# Allegro board FH8858v310_app_board_v1.1.brd (continued)
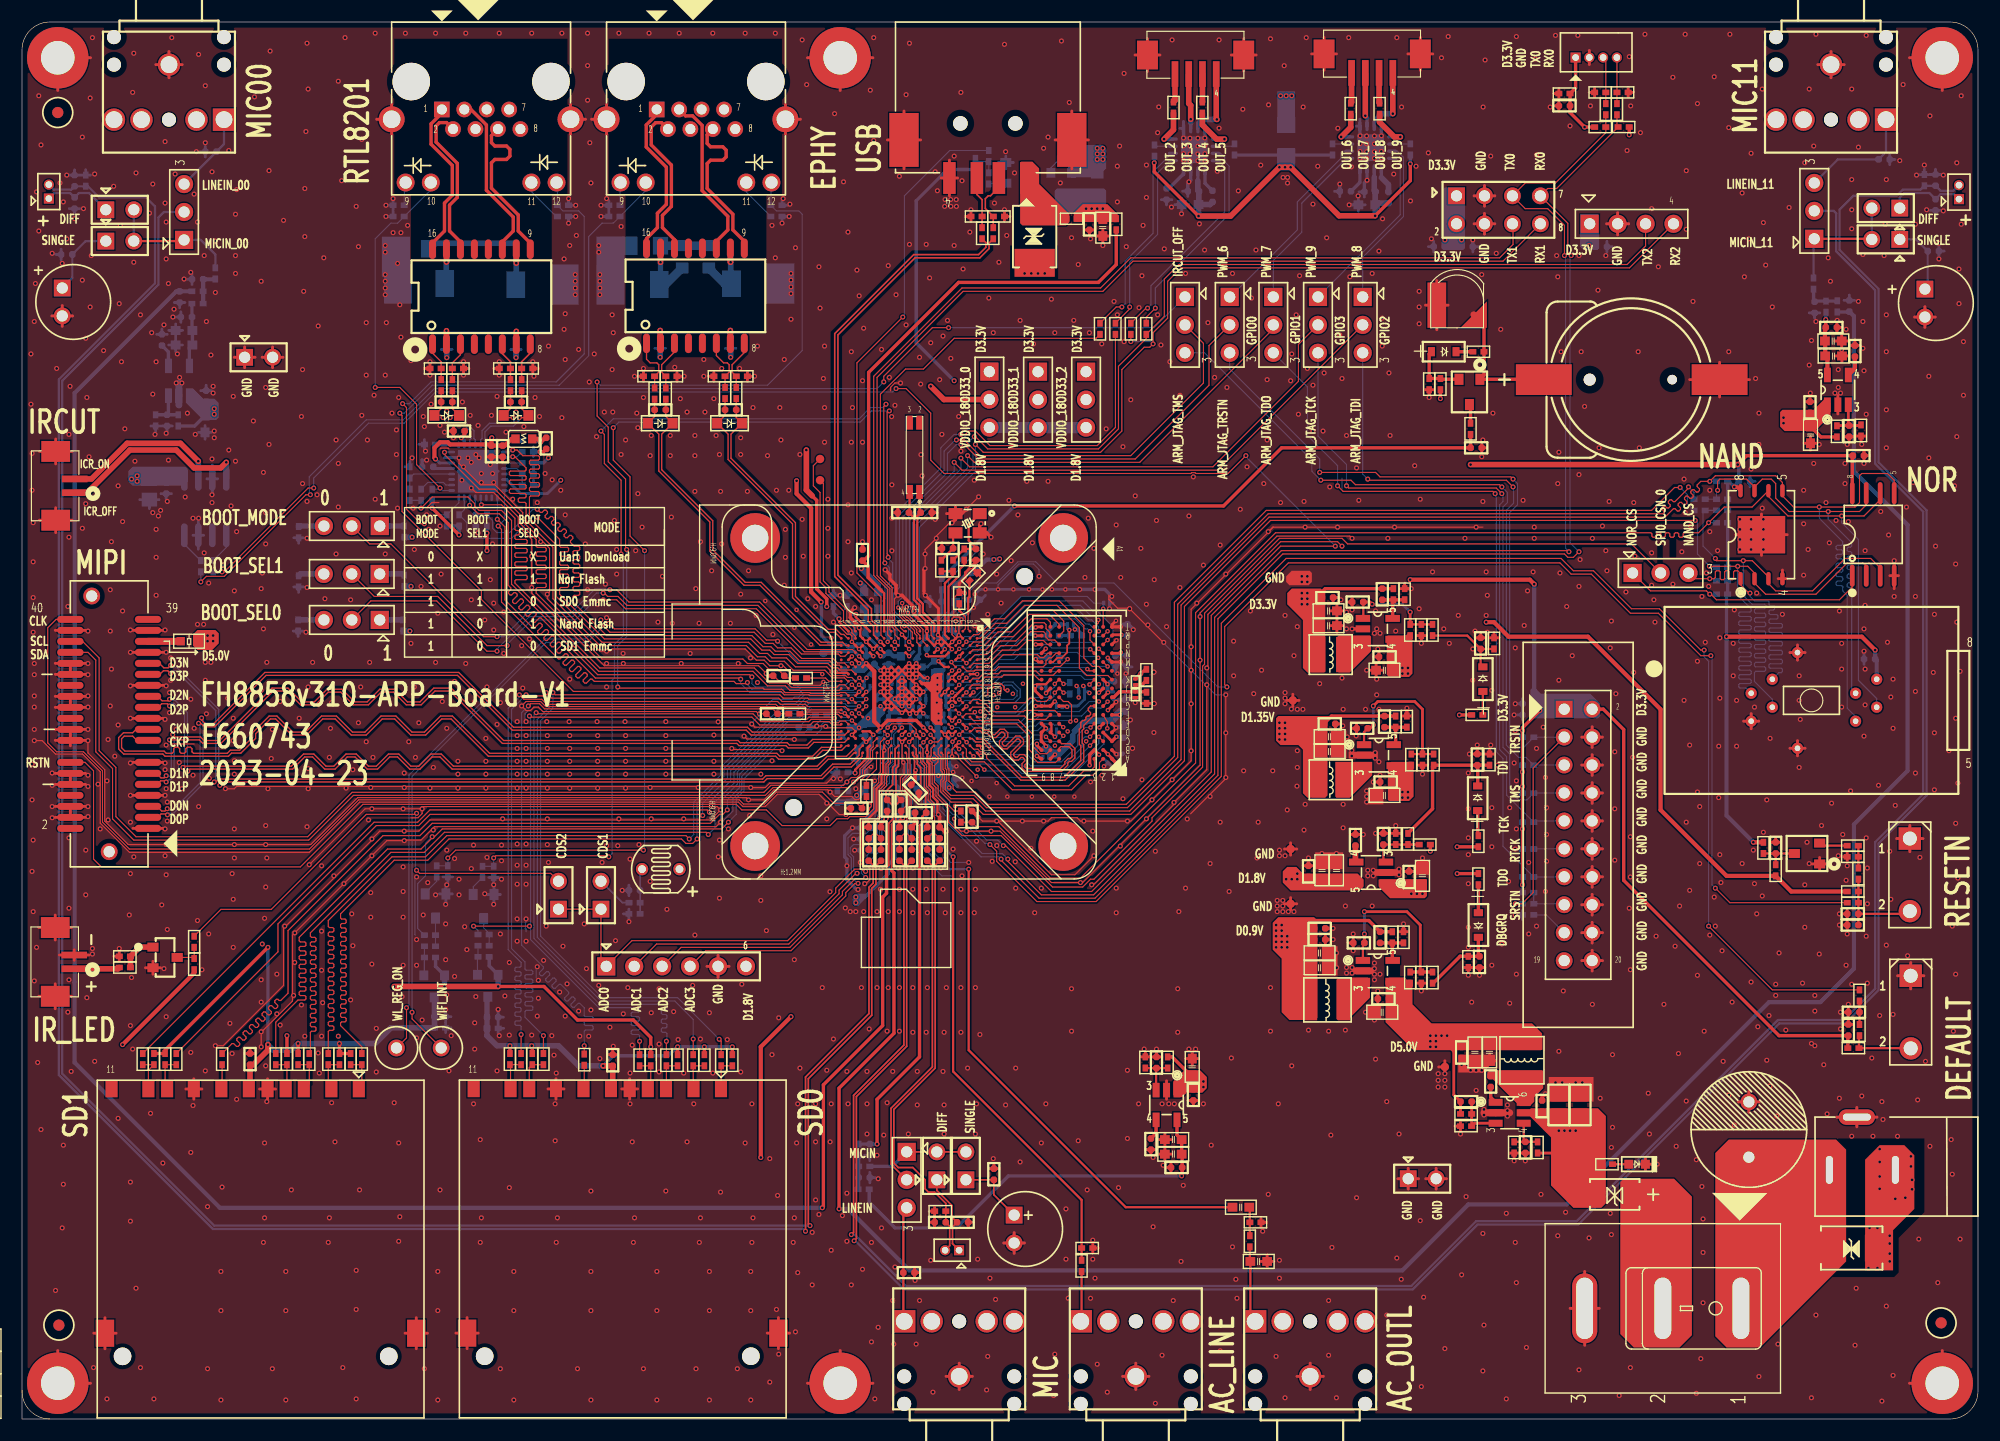
[diagram p0: board, top side]
## Routing (per net, layer and track width the routed paths; a pad name or vN(x,y) marks a point on that pad's centre or on a via; arc(x,y) is an arc through that point) (continued)
VDDIO_18OD33_0: length 46.5
  TOP w0.203: v1(76.74,66.1) 76.74,66.08 U6.U10
  TOP w0.305: 71.83,83.92 72.24,83.52 72.24,75.46 73.15,74.55 v2(73.15,73.86)
  TOP w0.508: v2(71.3,88.09) 71.3,84.45 71.83,83.92 ; v2(82.6,93.88) 83.8,92.68 JP13.2
  L3 w0.305: v2(73.15,73.86) 73.15,72.24 74.28,71.11 75.63,71.11 76.54,70.19 76.54,69.54 77.58,68.51 77.58,66.86 76.82,66.1 v1(76.74,66.1)
  L3 w0.508: v2(71.3,88.09) 76.84,88.09 82.6,93.85 v2(82.6,93.88)
  BOTTOM w0.254: C82.2 77.09,66.36 76.82,66.1 v1(76.74,66.1)
VDDIO_18OD33_1: length 29.1
  TOP w0.203: U6.L4 80.33,69.67 v1(80.64,69.35)
  L3 w0.305: v1(80.64,69.35) 81.09,69.8 81.09,72.02 82.3,73.22 82.3,74.27 82.6,74.57 82.6,78.03
  L3 w0.508: JP40.2 90.83,91.15 90.83,86.89 82.8,78.86 82.8,78.23 82.6,78.03
  BOTTOM w0.254: v1(80.64,69.35) 80.66,69.35 C85.2
VDDIO_18OD33_2: length 38.1
  TOP w0.203: v1(82.59,62.85) U6.G15
  L3 w0.305: v1(82.59,62.85) 82.4,63.04 82.4,66.34 81.79,66.95 81.79,68.89 81.5,69.17 81.5,71.85 82.7,73.05 82.7,74.1 83.01,74.41 83.01,77.52 83.52,78.03
  L3 w0.508: JP41.2 95.92,92.67 93.98,90.73 93.98,89.03 83.52,78.56 83.52,78.03
  BOTTOM w0.254: v1(82.59,62.85) 82.3,63.14 C83.2
AC_LINE1: length 44.2
  TOP w0.203: v2(84.64,51.11) 84.64,31.59 96.32,19.91 R121.2 96.32,14.43 R120.2
  BOTTOM w0.203: C72.2 v2(84.64,51.11)
AC_MICBIAS: length 40.3
  TOP w0.152: U6.K17 80.97,61.22 81.28,60.91 81.28,60.41 81.38,60.3 81.38,59.54 81.69,59.23 81.69,57.45 82.14,57 82.14,55.73 82.19,55.68 C59.1
  TOP w0.203: 81.58,50.14 81.58,53.95 81.83,54.2 81.83,54.76 C59.1
  TOP w0.305: v2(77.72,24.99) 77.72,29.06 81.58,32.92 81.58,50.14
  BOTTOM w0.305: R104.2 C114.1 77.72,24.99 v2(77.72,24.99)
AC_MICBIAS_00: length 194.2
  TOP w0.152: 78.59,49.86 78.61,49.89 78.61,50.17 78.79,50.34 78.79,54.15 79.17,54.53 79.17,55.75 C66.1 78.54,56.39 78.54,57.06 79.15,57.67 79.15,59.23 79.37,59.45 79.37,60.91 U6.M17
  TOP w0.305: 78.59,49.86 78.59,47.8 78.23,47.45 78.23,35.76 72.85,30.38 72.85,19.3 v2(72.75,19.2)
  BOTTOM w0.381: v2(72.75,19.2) 17.98,19.2 4.78,32.41 4.78,39.7 4.79,39.71 4.79,89.73 4.78,89.74 4.78,93.27 14.02,102.51 C140.1 14.33,102.52 R116.2
AC_MICBIAS_11: length 215.2
  TOP w0.152: 79.04,49.86 79.04,54.05 79.43,54.43 79.43,55.8 C71.1 79.45,56.74 79.45,59.13 79.67,59.35 U6.M18
  TOP w0.305: v2(74.27,19.1) 74.27,30.07 79.26,35.06 79.26,49.65 79.04,49.86
  BOTTOM w0.305: R110.2 166.06,100.63 C127.1
  BOTTOM w0.381: v2(74.27,19.1) 75.08,19.1 80.67,13.51 125.48,13.51 131.47,19.51 140.41,19.51 158.8,37.9 163.47,37.9 166.52,40.94 166.52,54.05 171.4,58.93 171.4,81.28 166.52,86.16 166.52,100.26 C127.1
AC_MICIN: length 40.5
  TOP w0.152: J7.2 84.33,15.76 84.33,17.52 C117.1 83.97,18.89 R107.1 83.97,19.6 82.95,20.62 82.4,20.62 82.09,20.93 82.09,21.74 80.98,22.86 79.65,22.86 79.25,23.27 79.25,28.14 83.01,31.9 83.01,50.34 C57.2
AC_MICIN_00: length 203.5
  TOP w0.152: C62.2 77.37,50.34 77.37,48.72 76.99,48.34 76.99,36.86 71.22,31.09 v2(71.22,17.07)
  BOTTOM w0.203: v2(71.22,17.07) 71.02,17.27 17.35,17.27 3.35,31.27 3.35,94.51 12.09,103.25 12.09,110.24 11.28,111.05 7.01,111.05 5.99,112.06 R119.1 C143.1 4.47,111.76 2.9,111.76 J11.2
AC_MICIN_11: length 231.1
  TOP w0.152: C69.2 80.87,50.75 80.42,50.29 80.42,33.88 75.84,29.31 75.84,16.41 v2(75.64,16.2)
  BOTTOM w0.203: J9.2 175.56,111.66 174.4,111.66 C130.1 173.93,112.11 R113.1 172.57,111.76 170.97,111.76 170.41,111.2 166.47,111.2 165.21,109.94 165.21,106.29 168.76,102.74 168.76,86.97 173.13,82.6 173.13,56.69 168.76,52.32 168.76,38.99 165.73,35.97 159.74,35.97 141.45,17.68 132.31,17.68 126.42,11.79 80.16,11.79 75.74,16.2 v2(75.64,16.2)
AC_MICIP: length 31.3
  TOP w0.152: JP17.2 80.41,21.74 78.99,23.16 78.99,28.25 82.75,32.01 82.75,50.29 C56.2
AC_MICIP_00: length 193.7
  TOP w0.152: v2(71.63,17.58) 71.48,17.73 71.48,30.94 77.24,36.7 77.24,48.23 77.62,48.62 77.62,50.29 C61.2
  BOTTOM w0.203: JP23.2 12.9,109.73 12.4,109.22 12.4,103.12 3.66,94.39 3.66,31.39 17.48,17.58 v2(71.63,17.58)
AC_MICIP_11: length 220
  TOP w0.152: C68.2 79.76,50.75 80.16,50.34 80.16,33.99 75.59,29.42 75.59,16.97 v2(75.39,16.76)
  BOTTOM w0.203: v2(75.39,16.76) 75.69,16.76 80.37,12.09 126.29,12.09 132.18,17.98 141.33,17.98 159.61,36.27 165.61,36.27 168.45,39.12 168.45,52.45 172.82,56.82 172.82,82.47 168.45,86.84 168.45,102.62 164.91,106.16 164.91,109.61 164.69,109.83 JP20.2
AC_OUTL: length 54.9
  TOP w0.203: C146.1 100.33,19.25 86.06,33.53 v2(86.06,49.99)
  BOTTOM w0.203: C76.2 80.82,54.96 80.82,53.09 83.31,50.6 83.67,50.6 84.28,49.99 v2(86.06,49.99)
ARM_DBGRQ: length 3.4
  BOTTOM w0.102: U18.17 138.57,45.82 R142.1
ARM_JTAG_TCK: length 61.7
  TOP w0.102: v2(120.4,84.84) 120.6,84.63 134.01,84.63 v2(134.52,84.12)
  BOTTOM w0.102: JP9.3 117.81,89.36 120.4,86.77 v2(120.4,84.84) ; v2(134.52,84.12) 134.62,84.02 134.62,83.41 134.32,83.11 134.32,60.86 134.95,60.22 134.95,56.72 R138.1 137.53,54.37 U18.9
ARM_JTAG_TDI: length 55
  TOP w0.102: v2(135.53,84.73) 134.92,85.34 122.43,85.34 v2(122.33,85.45)
  BOTTOM w0.102: v2(122.33,85.45) 121.87,85.9 JP7.3 ; v2(135.53,84.73) 135.59,84.68 135.58,84.68 135.58,83.26 134.92,82.6 134.92,61.26 136.04,60.15 136.7,60.15 R136.1 137.43,59.45 U18.5
ARM_JTAG_TDO: length 68.2
  TOP w0.102: v2(119.58,84.84) 120.09,84.33 133.71,84.33 v2(133.91,84.12)
  BOTTOM w0.102: v2(133.91,84.12) 133.91,83.92 134.01,83.82 134.01,60.66 134.62,60.05 134.62,52.07 R140.1 140.17,49.28 U18.13 ; JP12.3 116.84,93.83 116.84,89.41 119.58,86.66 v2(119.58,84.84)
ARM_JTAG_TMS: length 68.3
  TOP w0.102: v2(134.52,84.73) 134.32,84.94 121.21,84.94 120.8,85.34 v2(118.06,85.34)
  BOTTOM w0.102: v2(118.06,85.34) 117.25,86.16 117.25,87.17 107.49,96.93 JP10.3 ; v2(134.52,84.73) 135.03,84.23 135.03,83.31 134.62,82.91 134.62,61.06 135.23,60.45 135.23,57.1 136.04,56.29 136.8,56.29 R137.1 137.43,56.91 U18.7
ARM_JTAG_TRSTN: length 80
  TOP w0.102: v2(135.74,46.84) 136.35,46.84 137.36,47.85 137.36,59.17 U18.3 ; v2(117.96,86.06) 123.04,86.06 123.44,85.65 135.33,85.65 v2(135.53,85.45)
  BOTTOM w0.102: v2(135.53,85.45) 135.94,85.04 135.94,83.11 135.23,82.4 135.23,61.47 135.64,61.06 136.5,61.06 R135.1 140.17,61.98 U18.3 ; JP11.3 109.78,95.45 117.96,87.27 v2(117.96,86.06) ; v2(135.74,46.84) R143.1
BOOT_MODE: length 54.2
  TOP w0.102: v2(53.44,75.39) 54.05,75.39 55.17,74.27 67.06,74.27 71.37,69.95 75.49,69.95 75.77,69.67 U6.V4 ; JP1.2 31.61,79.55 33.53,79.55 41.96,71.12 v2(43.18,71.12)
  BOTTOM w0.102: v2(53.44,75.39) 53.37,75.46 52.1,75.46 49.89,73.25 45.92,73.25 43.79,71.12 v2(43.18,71.12)
BOOT_SEL0: length 51.6
  TOP w0.102: v2(43.18,69.8) 42.27,69.8 37.69,74.37 31.71,74.37 JP3.2 ; U6.Y4 74.39,69.75 71.11,69.75 66.89,73.96 54.99,73.96 54.18,74.78 53.24,74.78 52.93,75.08 v2(52.83,75.08)
  BOTTOM w0.102: v2(43.18,69.8) 43.18,70 46.13,72.95 50.09,72.95 52.22,75.08 v2(52.83,75.08)
BOOT_SEL1: length 51.9
  TOP w0.102: v2(44.09,70.31) 42.27,70.31 37.8,74.78 32.02,74.78 JP2.2 ; U6.W4 74.8,69.34 74.4,69.34 74.2,69.55 70.87,69.55 66.75,73.66 54.86,73.66 54.05,74.47 v2(52.83,74.47)
  BOTTOM w0.102: v2(44.09,70.31) 44.09,70.41 46.33,72.64 50.29,72.64 52.12,74.47 v2(52.83,74.47)
CDS1: length 3.3
  BOTTOM w0.152: JP29.2 54.58,46.94 R129.2
CDS2: length 43.4
  TOP w0.102: R130.1 18.08,46.33 22.66,46.33 31.29,54.97 35.76,54.97 v2(35.86,55.07) ; v2(35.86,49.89) 36.15,49.6 48.06,49.6 JP30.2
  BOTTOM w0.102: v2(35.86,49.89) 35.76,49.99 35.76,54.97 v2(35.86,55.07)
CIS_CLK: length 97.9
  TOP w0.102: J3.40 3.1,72.7 2.34,71.93 2.34,61.47 3.15,60.66 5.59,60.66 7.32,58.93 7.32,54.25 9.75,51.82 26.13,51.82 30.6,56.29 65.2,56.29 65.58,55.91 67.49,55.91 68.58,57 72.75,57 73.76,55.98 75.9,55.98 C52.2 76.35,55.73 76.76,56.13 R33.1
CIS_RSTN: length 92.2
  TOP w0.102: U6.P16 78.03,61.52 78.03,58.83 77.88,58.67 77.88,57.86 77.42,57.4 77.42,55.47 76.71,54.76 75.25,54.76 75.05,54.57 74.08,54.57 73.46,53.95 69.09,53.95 67.67,55.37 65.43,55.37 64.92,55.88 30.99,55.88 25.3,50.19 7.21,50.19 6.5,50.9 6.5,58.93 5.74,59.7 J3.14
CIS_SCL: length 94.2
  TOP w0.102: J3.36 5.5,70.7 7.01,69.19 7.01,60.76 8.53,59.23 8.53,54.76 10.36,52.93 25.97,52.93 30.01,56.97 67.44,56.97 68.07,57.61 74.68,57.61 v2(74.98,57.91) 75.39,58.32 75.9,58.32 76.16,58.58 76.16,59.09 77.11,60.04 77.11,60.87 77.37,61.12 77.37,61.51 U6.R16
  BOTTOM w0.102: R34.2 74.12,57.15 74.88,57.91 v2(74.98,57.91)
CIS_SDA: length 93.3
  TOP w0.102: J3.34 6,69.7 6.71,68.99 6.71,60.66 8.23,59.13 8.23,54.56 10.16,52.63 26.06,52.63 30.13,56.69 67.56,56.69 68.28,57.4 75.08,57.4 v2(75.59,57.91) 75.69,58.01 75.9,58.01 76.4,58.52 76.4,59.04 77.32,59.96 77.32,60.78 77.72,61.18 U6.R17
  BOTTOM w0.102: R35.2 75.13,57.45 v2(75.59,57.91)
CLK_IN: length 7.1
  TOP w0.203: R39.2 85.65,77.67 85.24,77.27 85.24,76.71 84.22,75.69 U6.E1
CLK_OUT: length 7.6
  TOP w0.203: U6.E2 83.89,71.3 83.89,75.97 84.63,76.71 R40.1 R41.2
DDR_0_CS_N: length 17.9
  TOP w0.102: UR1.L2 97.88,68.41 97.3,68.41 96.52,69.19 96.52,72.14 94.28,74.37 90.93,74.37 89.31,72.75 88.39,72.75 86.95,71.31 86.51,71.31 U6.B2
DDR_0_ODT: length 18.4
  TOP w0.102: UR1.K1 98.7,67.59 96.79,67.59 96.11,68.27 96.11,71.93 94.08,73.96 91.14,73.96 89.51,72.34 88.49,72.34 87.12,70.97 U6.A2
DDR_A0: length 13.7
  TOP w0.102: UR1.N3 v1(97.11,69.98) ; U6.C8 v1(85.85,67.39)
  BOTTOM w0.102: v1(97.11,69.98) 96.99,70.1 93.57,70.1 93.27,70.41 92.86,70.41 92.46,70 90.52,70 89.96,69.44 88.61,69.44 87.32,68.15 86.75,68.15 85.99,67.39 v1(85.85,67.39)
DDR_A1: length 9.2
  TOP w0.102: UR1.P7 93.88,70.82 93.34,70.82 93.07,71.09 93.07,71.37 92.86,71.58 91.69,71.58 90.42,70.31 89,70.31 87.78,69.09 86.89,69.09 U6.A5
DDR_A2: length 17
  TOP w0.102: UR1.P3 97.08,70.81 v1(97.08,71.62) ; v1(84.54,68.04) 84.22,67.72 U6.E7
  BOTTOM w0.102: v1(97.08,71.62) 96.86,71.83 96.62,71.83 95.71,72.75 91.74,72.75 89.26,70.26 88.34,70.26 87.07,68.99 86.7,68.99 86,68.28 85.62,68.28 85.41,68.5 85,68.5 v1(84.54,68.04)
DDR_A3: length 15.5
  TOP w0.102: v1(85.19,67.39) 85.52,67.72 U6.C7 ; UR1.N2 97.88,70.01 v1(97.88,70.02)
  BOTTOM w0.102: v1(85.19,67.39) 85.72,67.92 86.07,67.92 86.73,68.58 87.24,68.58 88.51,69.85 89.66,69.85 90.63,70.82 93.47,70.82 93.68,70.61 97.28,70.61 v1(97.88,70.02)
DDR_A4: length 8.5
  TOP w0.102: U6.B6 86.5,68.69 87.89,68.69 89.1,69.9 90.53,69.9 91.4,70.77 92.85,70.77 93.21,70.41 UR1.P8
DDR_A5: length 18.3
  TOP w0.102: U6.C3 85.85,70.64 v1(85.85,70.66) ; v1(98.68,70.81) UR1.P2
  BOTTOM w0.102: v1(98.68,70.81) 99.16,71.3 99.16,72.03 97.74,73.46 97.33,73.46 96.42,74.37 91.03,74.37 88.54,71.88 87.83,71.88 86.61,70.66 v1(85.85,70.66)
DDR_A6: length 9.6
  TOP w0.102: UR1.R8 93.41,71.28 93.41,71.53 93.09,71.86 93.09,72.22 92.91,72.39 92,72.39 90.34,70.73 88.92,70.73 87.68,69.49 86.65,69.49 U6.B5
DDR_A7: length 17
  TOP w0.102: v1(85.85,68.72) 85.82,68.72 U6.C5 ; v1(98.68,71.61) 98.28,71.21 UR1.R2
  BOTTOM w0.102: v1(98.68,71.61) 98.19,71.12 97.64,71.12 97.47,71.29 97.47,71.79 97,72.26 96.7,72.26 95.81,73.15 91.54,73.15 89.05,70.66 88.24,70.66 86.97,69.39 86.53,69.39 v1(85.85,68.72)
DDR_A8: length 9.1
  TOP w0.102: U6.B4 86.43,69.93 87.6,69.93 88.8,71.12 90.12,71.12 91.74,72.75 93.17,72.75 93.48,72.43 UR1.T8
DDR_A9: length 17.6
  TOP w0.102: U6.D6 84.48,68.75 v1(84.48,68.81) ; UR1.R3 97.88,71.61 v1(97.88,71.61)
  BOTTOM w0.102: v1(84.48,68.81) 84.49,68.81 84.55,68.88 85.36,68.88 86.28,69.8 86.87,69.8 88.14,71.07 88.95,71.07 91.44,73.56 96.01,73.56 96.93,72.64 97.23,72.64 97.84,72.03 97.84,71.65 v1(97.88,71.61)
DDR_A10: length 8.8
  TOP w0.102: U6.B8 86.45,67.35 86.97,67.35 87.38,67.76 88.75,67.76 89,68.01 92.15,68.01 92.55,67.61 93.73,67.61 94.13,68.01 UR1.L7
DDR_A11: length 11.8
  TOP w0.102: UR1.R7 94.69,71.63 94.69,72.54 93.68,73.56 91.34,73.56 89.71,71.93 88.59,71.93 87.3,70.64 86.49,70.64 U6.B3
DDR_A12: length 9.8
  TOP w0.102: U6.C6 85.89,68 86.55,68 86.63,68.07 88.46,68.07 88.76,68.38 92.83,68.38 93.08,68.63 93.08,68.93 93.35,69.2 93.58,69.2 94,69.61 UR1.N7
DDR_A13: length 16.1
  TOP w0.102: U6.D4 v1(85.2,70.01) ; UR1.T3 97.84,72.38 v1(97.84,72.64)
  BOTTOM w0.102: v1(85.2,70.01) 85.86,70.01 86.05,70.21 86.66,70.21 87.93,71.48 88.75,71.48 91.24,73.96 96.22,73.96 97.13,73.05 97.43,73.05 v1(97.84,72.64)
DDR_A14: length 9.2
  TOP w0.102: UR1.T7 94.28,72.24 93.37,73.15 91.54,73.15 89.95,71.56 88.73,71.56 87.49,70.32 U6.A3
DDR_BA0: length 16.3
  TOP w0.102: U6.E10 v1(84.55,66.05) ; UR1.M2 v1(98.68,68.41)
  BOTTOM w0.102: v1(84.55,66.05) 85.2,66.05 85.88,66.73 86.4,66.73 86.52,66.84 86.97,66.84 88.8,68.67 97.34,68.67 97.6,68.41 v1(98.68,68.41)
DDR_BA1: length 7.4
  TOP w0.102: U6.A6 88.08,68.37 89.19,69.48 92.31,69.48 92.57,69.22 92.86,69.22 93.26,69.61 UR1.N8
DDR_BA2: length 15
  TOP w0.102: U6.D9 85.16,66.71 85.16,66.71 v1(85.19,66.74) ; UR1.M3 v1(97.83,69.2)
  BOTTOM w0.102: v1(97.83,69.2) 97.71,69.32 96.29,69.32 95.91,69.7 93.33,69.7 93.23,69.59 90.73,69.59 90.17,69.04 88.71,69.04 86.92,67.25 86.41,67.25 86.15,66.98 85.43,66.98 v1(85.19,66.74)
DDR_CAS_N: length 17.6
  TOP w0.102: v1(97.04,66.77) UR1.K3 ; v1(85.19,65.42) 85.22,65.42 U6.C11
  BOTTOM w0.102: v1(85.19,65.42) 85.41,65.63 86.65,65.63 88.98,67.96 96.33,67.96 96.63,67.65 97.79,67.65 98.3,67.15 98.3,66.64 98.07,66.41 97.39,66.41 v1(97.04,66.77)
DDR_CKE: length 6.3
  TOP w0.102: UR1.K9 92.44,67.21 92,67.65 89.26,67.65 89.06,67.45 87.53,67.45 87.15,67.07 U6.A8
DDR_CLK0_N: length 19.8
  TOP w0.114: v1(93.88,66.83) 94.27,67.21 UR1.K7 94.29,67.21 v1(94.68,66.83) ; v1(88.82,66) 89.01,66.18 89.01,66.46 88.89,66.57 88.35,66.57 88.24,66.46 87.9,66.46 87.79,66.35 87.79,65.86 87.7,65.77 87.42,65.77 87.33,65.86 87.33,66.35 87.21,66.46 86.86,66.46 U6.A9
  BOTTOM w0.114: v1(88.82,66) 88.93,66.11 88.93,66.72 89.2,66.99 90.08,66.99 90.74,66.33 90.74,65.63 90.24,65.13 88.39,65.13 88.24,64.98 88.24,64.5 88.55,64.2 90.31,64.2 91.71,65.6 92.65,65.6 93.26,65.6 93.49,65.83 93.49,66.2 93.88,66.58 v1(93.88,66.83) ; RR1.1 95.13,66.83 v1(94.68,66.83)
DDR_CLK0_P: length 19.8
  TOP w0.114: v1(89.57,66.24) 89.36,66.24 89.27,66.33 89.27,66.57 89,66.84 88.24,66.84 88.13,66.73 86.38,66.73 86.17,66.52 U6.B9 ; v1(94.68,66.03) 94.29,66.41 UR1.J7 94.27,66.41 v1(93.88,66.03)
  BOTTOM w0.114: RR1.2 95.13,66.03 v1(94.68,66.03) ; v1(89.57,66.24) 89.35,66.24 89.22,66.36 89.22,66.6 89.32,66.7 89.96,66.7 90.45,66.21 90.45,65.75 90.12,65.42 88.27,65.42 87.95,65.1 87.95,64.38 88.42,63.91 90.43,63.91 91.83,65.3 92.51,65.3 92.6,65.21 92.6,64.87 92.69,64.78 92.86,64.78 92.95,64.87 92.95,65.24 93.02,65.3 93.38,65.3 93.78,65.7 93.78,65.93 v1(93.88,66.03)
DDR_DM0: length 11.6
  TOP w0.102: v1(85.2,63.45) 85.16,63.45 U6.D14 ; UR1.E7 94.6,62.9 v1(94.65,62.9)
  BOTTOM w0.102: v1(85.2,63.45) 85.45,63.2 86.16,63.2 86.97,62.38 87.58,62.38 87.99,61.98 91.16,61.98 91.77,62.59 92.33,62.59 92.93,63.18 93.73,63.18 93.83,63.08 94.46,63.08 v1(94.65,62.9)
DDR_DM1: length 13.4
  TOP w0.102: U6.B18 v1(86.49,60.24) ; UR1.D3 v1(97.08,62.02)
  BOTTOM w0.102: v1(97.08,62.02) 96.63,62.02 96.37,61.76 96.37,61.1 94.66,59.39 91.69,59.39 91.14,59.94 86.79,59.94 v1(86.49,60.24)
DDR_DQ0: length 14.8
  TOP w0.102: v1(85.87,61.53) 85.53,61.87 U6.C16 ; UR1.E3 v1(97.13,62.87)
  BOTTOM w0.102: v1(85.87,61.53) 86.74,60.66 87.38,60.66 87.63,60.4 91.39,60.4 92.04,59.75 94.5,59.75 95.96,61.22 95.96,62.17 96.66,62.87 v1(97.13,62.87)
DDR_DQ1: length 8
  TOP w0.102: UR1.F7 93.88,64.41 91.14,64.41 91.02,64.3 88.3,64.3 87.58,65.02 86.91,65.02 U6.A11
DDR_DQ2: length 18.7
  TOP w0.102: UR1.F2 98.65,63.38 v1(98.65,62.79) ; U6.D18 85.14,60.3 85.14,60.05 v1(86.77,58.42)
  BOTTOM w0.102: v1(86.77,58.42) 86.87,58.32 95.3,58.32 98.35,61.37 98.35,62.48 v1(98.65,62.79)
DDR_DQ3: length 8
  TOP w0.102: U6.B12 86.42,64.72 87.38,64.72 88.19,63.91 91.14,63.91 91.44,63.6 93.07,63.6 UR1.F8
DDR_DQ4: length 12.8
  TOP w0.102: UR1.H3 97.49,65.61 v1(97.88,65.23) ; U6.A13 87.33,63.82 87.45,63.93 v1(87.5,63.93)
  BOTTOM w0.102: v1(87.5,63.93) 87.55,63.93 88.19,63.3 90.73,63.3 91.86,64.43 92.34,64.43 92.46,64.31 96.11,64.31 97.03,65.23 v1(97.88,65.23)
DDR_DQ5: length 8
  TOP w0.102: U6.B11 86.47,65.42 87.02,65.42 87.12,65.32 87.84,65.32 88.04,65.11 91.19,65.11 91.6,65.52 92,65.52 92.29,65.23 93.09,65.23 UR1.H8
DDR_DQ6: length 15.6
  TOP w0.102: v1(86.61,64.26) 86.46,64.11 85.81,64.11 U6.C13 ; UR1.G2 v1(98.68,65.21)
  BOTTOM w0.102: v1(98.68,65.21) 98.08,64.62 97.03,64.62 96.32,63.91 92.46,63.91 91.95,63.4 91.41,63.4 90.91,62.89 88.09,62.89 87.58,63.4 87.27,63.4 86.61,64.06 v1(86.61,64.26)
DDR_DQ7: length 14.8
  TOP w0.102: v1(85.18,64.14) 85.18,64.16 U6.D12 ; v1(95.3,63.4) 95.4,63.5 95.4,64.92 95.1,65.23 94.67,65.23 UR1.H7
  BOTTOM w0.102: v1(85.18,64.14) 85.71,63.6 86.36,63.6 87.07,62.89 87.58,62.89 88.09,62.38 90.98,62.38 91.59,62.99 92.15,62.99 92.66,63.5 95.2,63.5 v1(95.3,63.4)
DDR_DQ8: length 11.4
  TOP w0.102: v1(85.19,62.2) 85.5,62.52 U6.C15 ; v1(94.66,62.11) 94.58,62.11 UR1.D7
  BOTTOM w0.102: v1(85.19,62.2) 85.21,62.2 85.43,61.98 86.16,61.98 86.56,61.57 87.38,61.57 87.78,61.16 91.52,61.16 92.14,61.79 92.44,61.79 92.66,61.57 94.12,61.57 v1(94.66,62.11)
DDR_DQ9: length 15.8
  TOP w0.102: UR1.C3 v1(97.08,61.21) ; v1(84.58,61.57) 84.58,61.58 U6.D16
  BOTTOM w0.102: v1(97.08,61.21) 94.89,59.03 91.34,59.03 90.93,59.44 87.99,59.44 87.88,59.54 86.26,59.54 85.34,60.45 85.09,60.45 84.58,60.96 v1(84.58,61.57)
DDR_DQ10: length 10.4
  TOP w0.102: U6.E14 84.52,62.87 v1(84.53,62.87) ; UR1.C8 v1(93.08,62.01)
  BOTTOM w0.102: v1(84.53,62.87) 85.17,62.87 85.66,62.37 86.27,62.37 86.66,61.98 87.48,61.98 87.88,61.57 91.34,61.57 91.95,62.18 92.91,62.18 v1(93.08,62.01)
DDR_DQ11: length 15.7
  TOP w0.102: U6.C18 85.52,60.12 86.21,59.44 87.07,59.44 v1(87.48,59.03) ; UR1.C2 v1(97.88,62.01)
  BOTTOM w0.102: v1(87.48,59.03) 87.58,58.93 90.63,58.93 90.88,58.67 95.15,58.67 97.88,61.4 v1(97.88,62.01)
DDR_DQ12: length 10.7
  TOP w0.102: U6.B14 86.2,63.2 90.42,63.2 91.54,62.08 91.54,60.86 91.9,60.5 91.9,60.12 92.34,59.68 93.94,59.68 UR1.A7
DDR_DQ13: length 16.3
  TOP w0.102: U6.C17 85.84,60.89 85.84,60.23 86.33,59.74 87.48,59.74 90.02,57.2 95.4,57.2 96.72,58.52 97.33,58.52 97.94,59.13 97.94,59.68 UR1.A2
DDR_DQ14: length 9.5
  TOP w0.102: U6.B13 86.49,63.5 87.88,63.5 87.93,63.55 90.58,63.55 91.9,62.23 91.9,61.13 92.54,60.48 93.15,60.48 UR1.B8
DDR_DQ15: length 14.4
  TOP w0.102: U6.B17 86.5,60.89 86.89,60.89 87.13,60.66 87.38,60.66 87.68,60.35 87.68,60.1 90.22,57.56 95.15,57.56 96.52,58.93 97.13,58.93 97.48,59.28 UR1.A3
DDR_DQS0_N: length 17.7
  TOP w0.114: UR1.G3 97.12,64.81 96.93,64.62 96.93,64.41 97.13,64.21 97.13,64.04 96.99,63.91 96.82,63.91 96.71,63.79 96.71,63.62 96.59,63.5 96.43,63.5 96.24,63.32 96.24,62.85 96.1,62.71 96.1,61.35 96.24,61.21 96.24,59.88 94.71,58.34 90.9,58.34 87.44,61.81 86.88,61.81 U6.A16
DDR_DQS0_P: length 17.4
  TOP w0.114: U6.B16 86.37,61.87 86.7,61.54 87.33,61.54 90.79,58.08 94.82,58.08 96.51,59.77 96.51,61.32 96.37,61.46 96.37,62.6 96.51,62.74 96.51,63.05 UR1.F3
DDR_DQS1_N: length 19.2
  TOP w0.114: UR1.B7 94.28,60.99 94.42,61.13 95.16,61.13 95.44,60.84 95.44,60.2 95.29,60.05 95.1,60.05 94.79,59.74 94.79,59.55 94.39,59.14 91.33,59.14 91.17,59.3 91.17,59.47 91.4,59.7 91.4,60.08 91.08,60.4 90.7,60.4 90.46,60.17 90.3,60.17 90.14,60.33 90.14,60.49 91.04,61.39 91.04,61.77 90.72,62.09 90.34,62.09 89.44,61.19 89.28,61.19 89.12,61.35 89.12,61.51 89.61,62 89.61,62.39 89.29,62.71 88.91,62.71 88.42,62.22 88.25,62.22 87.85,62.62 87.41,62.62 87.21,62.83 86.6,62.83 86.29,62.52 U6.B15
DDR_DQS1_P: length 19.2
  TOP w0.114: U6.A15 86.87,62.56 87.1,62.56 87.3,62.36 87.74,62.36 88.14,61.95 88.53,61.95 89.02,62.44 89.18,62.44 89.34,62.28 89.34,62.11 88.85,61.62 88.85,61.24 89.17,60.92 89.55,60.92 90.45,61.82 90.61,61.82 90.77,61.66 90.77,61.5 89.87,60.6 89.87,60.22 90.19,59.9 90.57,59.9 90.81,60.14 90.97,60.14 91.13,59.97 91.13,59.81 90.9,59.58 90.9,59.19 91.22,58.88 94.5,58.88 95.06,59.44 95.06,59.63 95.21,59.78 95.4,59.78 95.71,60.09 95.71,60.95 95.27,61.39 94.5,61.39 UR1.C7
DDR_RAS_N: length 15.9
  TOP w0.102: UR1.J3 97.87,66.8 v1(97.88,66.8) ; U6.E12 84.54,64.79 v1(84.54,64.83)
  BOTTOM w0.102: v1(97.88,66.8) 97.44,67.25 96.57,67.25 96.22,67.6 89.06,67.6 86.77,65.32 85.7,65.32 85.21,64.83 v1(84.54,64.83)
DDR_RESET_N: length 17.7
  TOP w0.102: U6.D3 v1(85.2,70.64) ; v1(98.28,73.66) UR1.T2
  BOTTOM w0.102: v1(85.2,70.64) 85.67,71.12 86.56,71.12 87.73,72.29 88.34,72.29 90.83,74.78 96.82,74.78 97.43,74.17 CR34.2 98.33,73.71 v1(98.28,73.66)
DDR_VREF_D: length 3.8
  TOP w0.203: v1(83.31,68.88) 83.83,68.37 U6.E6
  BOTTOM w0.254: v1(83.31,68.88) 83.65,69.23 CR16.1 ; v1(83.31,68.88) 83.55,68.64 CR2.2 ; v1(83.31,68.88) 83.31,68.89 RR8.1 82.81,68.89 82.29,68.37 RR10.2
DDR_WE_N: length 13.1
  TOP w0.102: UR1.L3 97,68.01 v1(96.84,68.17) ; v1(85.85,66.05) 85.81,66.05 U6.C10
  BOTTOM w0.102: v1(96.84,68.17) 96.7,68.31 88.9,68.31 87.04,66.45 86.24,66.45 v1(85.85,66.05)
E0_CT1: length 1.9
  TOP w0.508: U24.2 v2(38.58,98.93)
  BOTTOM w0.381: C168.1 38.61,98.91 v2(38.58,98.93)
E0_CT1_16425705: length 1.8
  TOP w0.508: v2(58.01,98.96) 58.01,97.82 U23.2
  BOTTOM w0.508: C165.1 v2(58.01,98.96)
E0_CT2: length 1.8
  TOP w0.508: U24.7 v2(44.93,98.88)
  BOTTOM w0.381: v2(44.93,98.88) 44.91,98.86 C170.1
E0_CT2_16425705: length 1.8
  TOP w0.508: U23.7 v2(64.39,98.96)
  BOTTOM w0.508: C167.1 64.39,98.37 v2(64.39,98.96)
EN1: length 14.1
  TOP w0.305: C32.1 133.39,59.44 R19.1 ; C32.1 128.32,59.44 R20.1 128.22,59.33 128.22,55.47 R13.1 ; C32.1 132.32,59.4 D4.K
EN2: length 7.8
  TOP w0.203: C200.1 131.37,71.22 R12.1 ; C200.1 132.59,68.58 D35.K ; C200.1 R126.1
EN3: length 7.1
  TOP w0.305: D5.K 132.38,42.16 C33.1 131.48,42.06 R22.1 130.72,42.06 128.28,39.62 R27.1
EPHY_RXN: length 27.4
  TOP w0.114: U6.W2 75.05,70.97 74.7,71.32 74.47,71.32 74.01,71.78 73.3,71.78 70.31,74.78 70.31,81.48 64.45,87.34 64.45,89.53 D32.K 64.92,91.04 C155.2 64.92,91.75 R181.2
EPHY_RXP: length 27.2
  TOP w0.114: U6.Y2 74.45,70.97 73.9,71.52 73.19,71.52 70.04,74.67 70.04,81.37 64.18,87.23 64.18,89.53 D32.A 63.91,91.24 C155.1 63.91,91.75 R178.2
EPHY_TXN: length 32.2
  TOP w0.114: R177.2 C154.2 58.52,91.15 D20.K 58.15,89.53 58.15,86.3 62.79,81.66 62.79,79.02 65.74,76.06 67.2,76.06 72.64,70.61 74.59,70.61 74.89,70.32 U6.W3
EPHY_TXP: length 31.9
  TOP w0.114: U6.Y3 74.44,70.35 72.53,70.35 67.09,75.79 65.63,75.79 62.52,78.91 62.52,81.55 57.88,86.19 57.88,89.53 D20.A 57.51,91.14 C154.1 R174.2
ETH_ACT: length 88.3
  TOP w0.102: U6.W10 74.84,66.05 74.35,66.05 74.28,65.97 71.68,65.97 71.61,66.04 69.38,66.04 69.07,66.34 67.46,66.34 67.36,66.45 54.25,66.45 v2(54.15,66.55) ; v2(54.97,79.04) 54.86,79.15 54.86,85.45 53.29,87.02 53.29,90.17 52.28,91.18 v2(52.28,94.27)
  BOTTOM w0.102: v2(52.28,94.27) 52.57,93.98 67.77,93.98 70.92,97.13 70.92,109.52 70.61,109.83 68.58,109.83 D19.K 68.07,112.35 J17.12 ; v2(54.15,66.55) 54.15,70.31 54.97,71.12 v2(54.97,79.04)
ETH_AVDD33: length 12
  TOP w0.381: v2(42.7,89.2) 42.67,89.17 C172.1 ; v2(37.59,87.27) 37.49,87.38 37.49,88.29 38,88.8 38.71,88.8 38.91,88.6 42.57,88.6 C172.1 ; L5.1 44.5,89.1 43.89,88.49 C173.1 C172.1
  BOTTOM w0.254: v2(37.59,87.27) 37.96,86.91 U25.30
  BOTTOM w0.305: U25.7 v2(42.7,89.2)
ETH_STA: length 94.2
  TOP w0.102: v2(34.34,91.44) 34.54,91.24 34.54,82.5 41.76,75.29 41.76,74.5 50.12,66.14 68.99,66.14 69.29,65.84 71.53,65.84 71.6,65.77 U6.Y10
  BOTTOM w0.102: J17.10 56.69,111.66 D23.K 53.75,108.71 52.73,108.71 51.51,107.49 51.51,96.66 48.83,93.98 37.29,93.98 34.75,91.44 v2(34.34,91.44)
GPIO_0: length 53.9
  TOP w0.102: JP11.2 107.9,97.59 107.9,93.98 101.19,87.27 86.97,87.27 85.65,88.6 v2(85.34,88.6) ; U6.J3 81.34,70.6 81.34,71.21 81.13,71.43 81.13,71.68 80.34,72.47 80.27,72.47 79.77,72.97 79.77,73.65 v1(79.65,73.76)
  BOTTOM w0.102: v2(85.34,88.6) 84.94,88.6 84.12,87.78 84.12,86.06 80.06,81.99 80.06,74.73 79.65,74.32 79.65,73.76 v1(79.65,73.76)
GPIO_1: length 53.7
  TOP w0.102: JP12.2 113.74,99.11 101.6,86.97 86.56,86.97 v2(85.95,87.58) ; v1(80.53,73.3) 80.53,73.14 81.9,71.77 81.9,70.69 U6.H3
  BOTTOM w0.102: v2(85.95,87.58) 85.95,86.46 80.98,81.48 80.98,73.9 80.76,73.68 80.76,73.68 80.53,73.45 v1(80.53,73.3)
GPIO_2: length 61.6
  TOP w0.102: v2(84.73,86.97) 85.45,86.26 108.66,86.26 JP7.2 ; v1(80.01,74.17) 80.05,74.13 80.05,73.63 79.97,73.55 79.97,73.05 80.35,72.67 80.42,72.67 81.33,71.76 81.33,71.51 81.62,71.22 U6.J2
  BOTTOM w0.102: v1(80.01,74.17) 80.01,74.18 80.37,74.53 80.37,81.79 84.73,86.16 v2(84.73,86.97)
GPIO_3: length 58.6
  TOP w0.102: U6.J1 81.62,71.76 80.51,72.88 80.44,72.88 80.18,73.14 80.18,73.47 80.39,73.68 80.39,73.81 v1(80.4,73.83) ; v2(85.34,87.35) 86.13,86.56 108.25,86.56 116.03,94.34 116.03,97.69 JP9.2
  BOTTOM w0.102: v1(80.4,73.83) 80.42,73.84 80.42,73.86 80.67,74.12 80.67,81.69 85.34,86.36 v2(85.34,87.35)
GPIO_RESET: length 147.1
  TOP w0.102: v2(87.99,52.22) 88.6,51.61 88.6,50.7 92.25,47.04 97.64,47.04 109.02,58.42 109.02,72.34 114.91,78.23 139.9,78.23 141.02,77.11 142.85,77.11 146.3,73.66 148.84,73.66 152.6,69.9 v2(152.91,69.9) ; v2(153.31,44.81) 159.11,39.01 R166.2 ; U6.F16 83.25,61.55 v1(82.59,61.55)
  BOTTOM w0.102: v1(82.59,61.55) 81.91,60.88 81.91,60.27 82.23,59.96 82.23,59.67 82.6,59.3 82.6,57.51 84.02,56.08 84.02,55.54 84.62,54.95 84.9,54.95 87.53,52.32 87.88,52.32 v2(87.99,52.22) ; v2(153.31,44.81) 153.31,68.88 152.91,69.29 v2(152.91,69.9)